# Altium PCB Motherboard.PcbDoc (part 2 of 3) (continued)
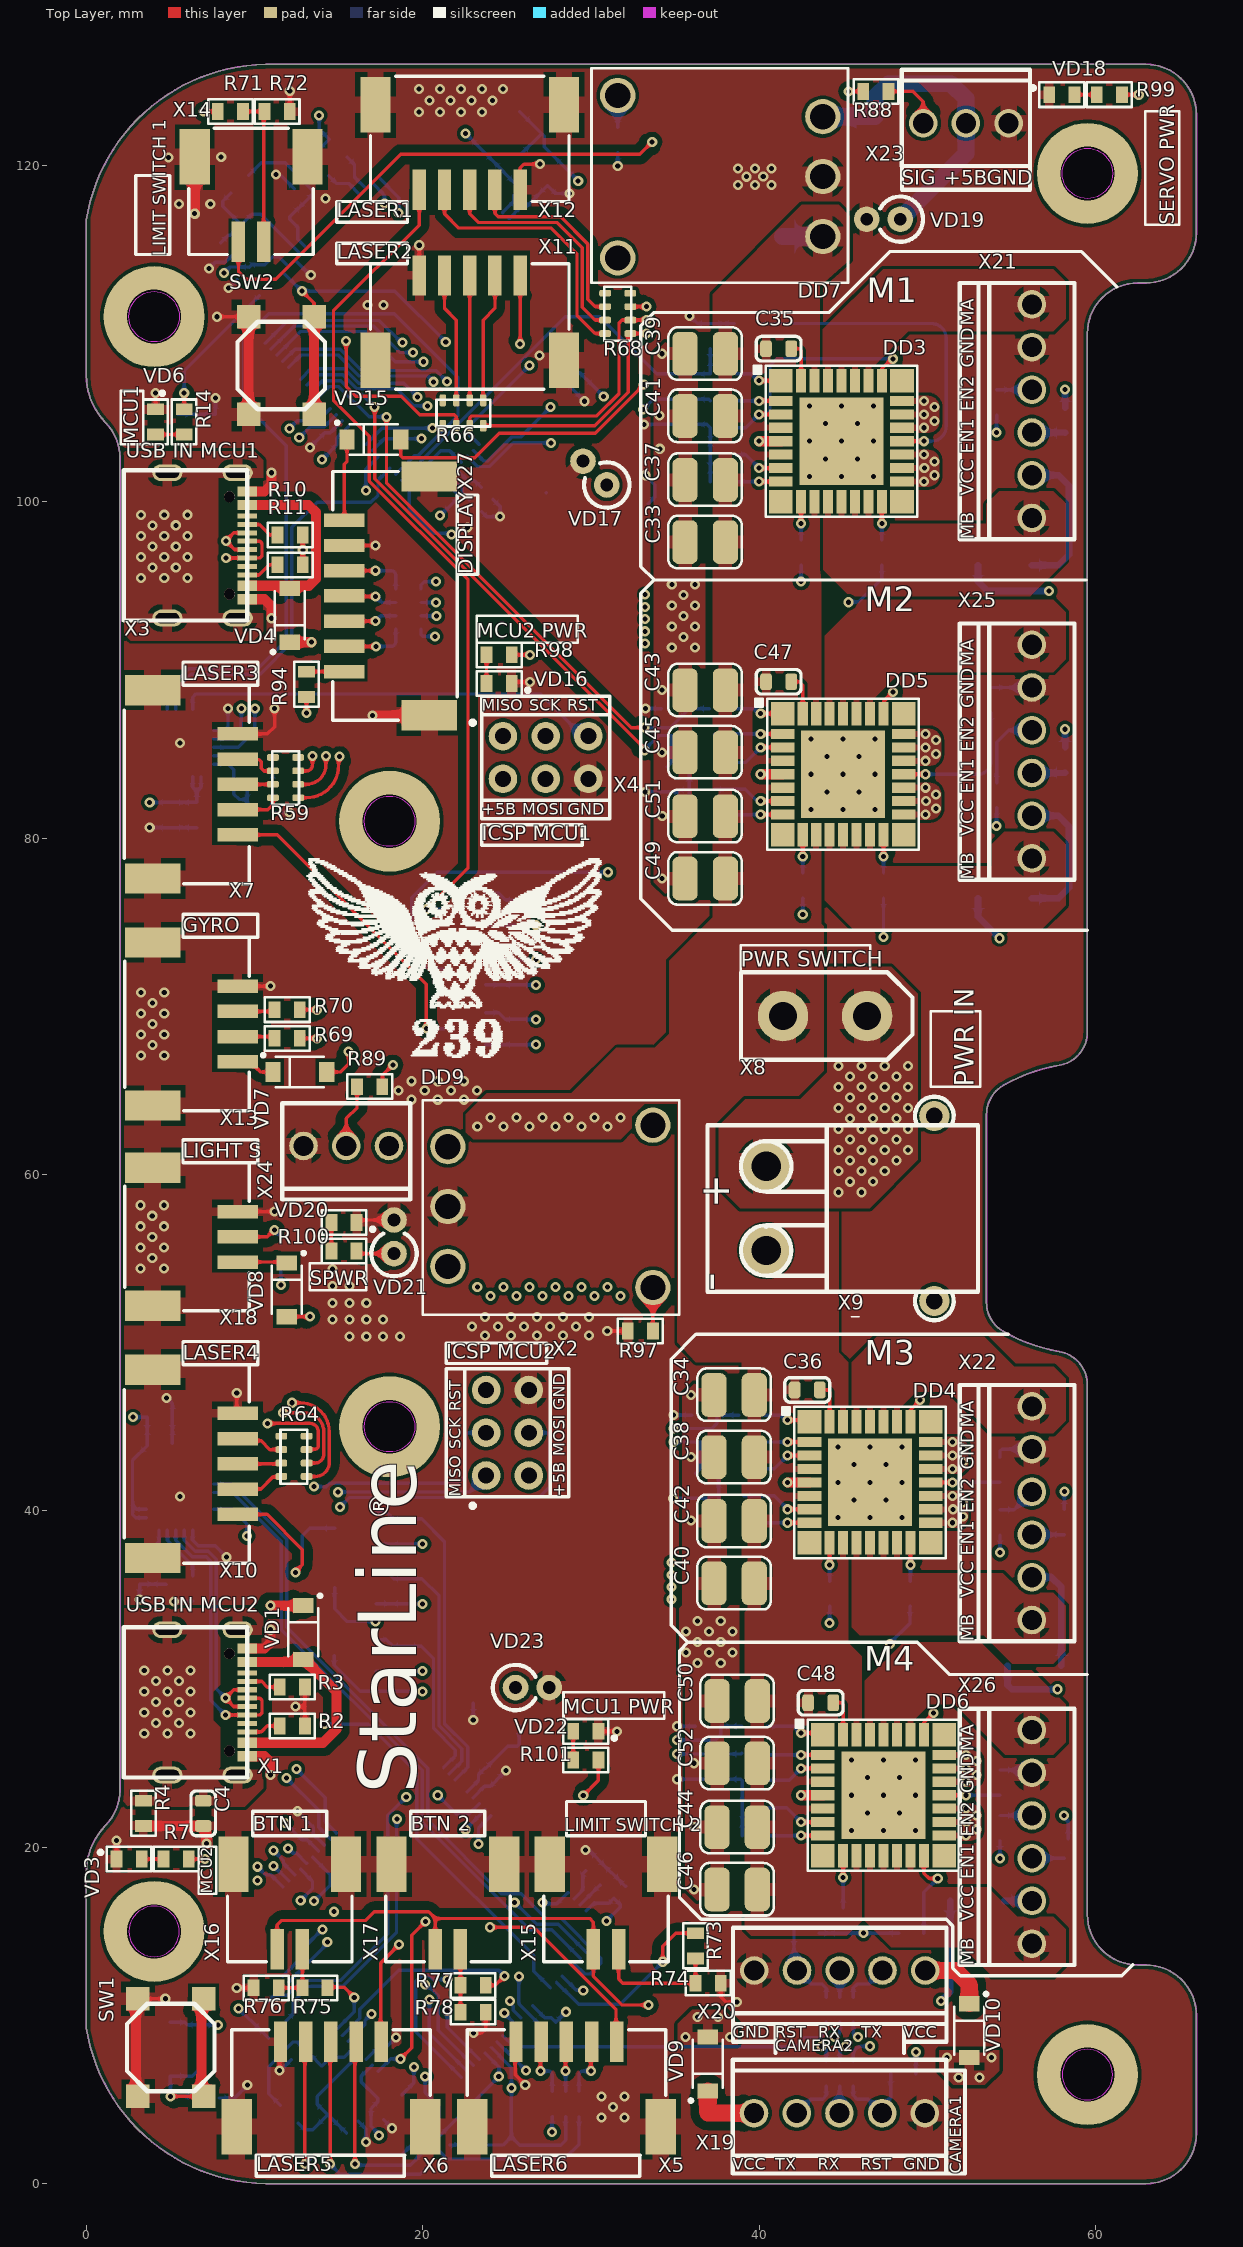
[diagram p0: Top Layer view]
## Nets (pads, with @x,y where several pads share a name; then routed paths per layer and width w, separated by ;. In a path a pad name is that pad's centre, name@x,y a point inside that pad or via, vN(x,y) a via of type N, cw(c..) or ccw(c..) an arc to the next point about the centre after c; other vN are vias at no path point) (continued)
  Bottom Layer w0.2: DD2.46@17.348,119.315 18.575,118.088 v1(18.575,117.175)
  Bottom Layer w0.381: R84.2@58.2,105.6 v1(58.2,106.675)
MCU2_MOTOR2_A1_ENC2: DD2.95 R91.1 | length 53.7
  Signal w0.2: v1(27.6,105.625) 28.375,105.625 32.225,101.775 32.225,96.95 33.575,95.6 41.1,95.6 43.425,93.275 53.15,93.275 54.125,92.3 v1(54.125,80.725)
  Bottom Layer w0.2: DD2.95@23.005,103.051 23.631,102.425 23.865,102.425 25.29,103.85 25.825,103.85 v1(27.6,105.625) ; v1(54.125,80.725) R91.1@54.125,81.8
MCU2_MOTOR2_D6_IN2: DD2.15 R37.1 R43.1 | length 34.7
  Top Layer w0.2: v1(17.85,105.05) 17.85,101.125 32.4,86.575 v1(33.2,86.575)
  Bottom Layer w0.2: DD2.15@13.813,106.233 14.43,106.85 15.025,106.85 16.825,105.05 v1(17.85,105.05) ; v1(33.2,86.575) 34.725,86.575 35.7,87.55 R37.1@35.7,87.7 R43.1@37.05,87.7
MCU2_MOTOR2_D7_IN1: DD2.16 R39.1 R44.1 | length 36.8
  Top Layer w0.2: v1(17.15,105.625) 17.15,101.365 33.2,85.315 v1(33.2,85.225)
  Bottom Layer w0.2: DD2.16@13.459,106.587 14.073,107.2 15.135,107.2 15.935,106.4 16.375,106.4 v1(17.15,105.625) ; v1@33.15,85.225 34.025,86.1 35.025,86.1 ; R39.1@34.55,84.25 34.8,84.5 34.8,85.875 35.025,86.1 ; R44.1@35.85,86.1 35.025,86.1
MCU2_MOTOR2_D19_ENC1: DD2.45 R90.1 | length 71.9
  Signal w0.2: v1(17.725,117.725) 37.2,117.725 40.875,114.05 56.985,114.05 58.725,112.31 58.725,87 v1(58.2,86.475)
  Bottom Layer w0.2: DD2.45@16.999,118.961 17.725,118.235 v1(17.725,117.725)
  Bottom Layer w0.381: R90.1@58.2,85.4 v1(58.2,86.475)
MCU2_MOTOR3_A2_ENC2: DD2.96 R87.2 | length 99.3
  Signal w0.2: v1(27.625,103.5) 27.625,102.635 31.55,98.71 31.55,75.5 38.3,68.75 38.3,50.925 40.675,48.55 56.935,48.55 58.675,46.81 58.675,38.225 57.775,37.325 55.2,37.325 55,37.525 v1(54.325,37.525)
  Bottom Layer w0.2: DD2.96@22.652,102.697 23.249,102.1 24,102.1 25.4,103.5 v1(27.625,103.5) ; v1(54.325,37.525) R87.2@54.325,38.575
MCU2_MOTOR3_D8_IN2: DD2.17 R28.2 R36.1 | length 82.4
  Signal w0.2: v1(20.3,105.7) 19.4,104.8 19.4,98.904 22.55,95.754 22.55,82.646 36.917,68.279 36.917,50.413 34.4,47.896 34.4,45.425 v1(34.925,44.9)
  Bottom Layer w0.2: DD2.17@13.106,106.94 13.716,107.55 15.244,107.55 16.069,106.725 18.45,106.725 19.475,105.7 v1(20.3,105.7) ; v1(34.925,44.9) 37.2,44.9 37.5,45.2 R36.1@37.5,45.7 R28.2@38.8,45.7
MCU2_MOTOR3_D9_IN1: DD2.18 R29.2 R34.1 | length 83.6
  Signal w0.2: v1(19.698,106.227) 19.075,105.604 19.075,98.769 22.225,95.619 22.225,82.512 36.592,68.145 36.592,50.548 34.075,48.031 34.075,44.95 v1(34.925,44.1)
  Bottom Layer w0.2: DD2.18@12.752,107.294 13.358,107.9 15.354,107.9 16.204,107.05 18.875,107.05 v1(19.698,106.227) ; v1(34.925,44.1) 36.495,44.1 ; R34.1@36.245,42.25 36.495,42.5 36.495,44.1 ; R29.2@37.6,44.1 36.495,44.1
MCU2_MOTOR3_D20_ENC1: DD2.7 R86.2 | length 93.7
  Signal w0.2: v1(20.575,104.375) 23.525,101.425 23.525,83.065 37.975,68.615 37.975,50.79 40.54,48.225 56.801,48.225 58.15,46.876 v1(58.15,41.15)
  Bottom Layer w0.2: DD2.7@16.641,103.405 16.641,103.432 17.585,104.375 v1(20.575,104.375) ; R86.2@58.15,40.1 v1(58.15,41.15)
MCU2_MOTOR4_A3_ENC2: DD2.97 R93.1 | length 117.1
  Signal w0.2: v1(21.725,98.05) 21.773,98.002 21.773,97.45 23.2,96.023 23.2,82.916 37.567,68.548 37.567,50.733 40.4,47.9 49.477,47.9 53.375,44.002 53.375,32.65 54.875,31.15 57.733,31.15 58.796,30.086 58.796,19.146 57.725,18.075 54.8,18.075 54.325,18.55 v1(54.325,19.35)
  Bottom Layer w0.2: v1(21.725,98.05) 21.648,98.127 20.673,98.127 19.2,99.6 19.2,101.15 21.075,103.025 21.617,103.025 DD2.97@22.298,102.344 ; v1(54.325,19.35) R93.1@54.325,20.396
MCU2_MOTOR4_D10_IN2: DD2.23 R38.1 R46.1 | length 107.7
  Signal w0.2: v1(19.425,108.875) 18.75,108.2 18.75,98.635 21.9,95.485 21.9,82.377 36.267,68.01 36.267,50.683 31.4,45.815 31.4,30.1 v1(35.125,26.375)
  Bottom Layer w0.2: DD2.23@10.984,109.061 12.373,110.45 17.075,110.45 18.65,108.875 v1(19.425,108.875) ; v1(35.125,26.375) 37.4,26.375 37.725,26.7 R38.1@37.725,27.2 R46.1@38.975,27.2
MCU2_MOTOR4_D11_IN1: DD2.24 R40.1 R47.1 | length 108.2
  Signal w0.2: v1(18.792,109.475) 18.425,109.108 18.425,98.5 21.575,95.35 21.575,82.242 35.942,67.875 35.942,50.817 31.075,45.95 31.075,29.6 v1(35.125,25.55)
  Bottom Layer w0.2: DD2.24@10.631,109.415 11.991,110.775 17.415,110.775 18.715,109.475 v1(18.792,109.475) ; v1(35.125,25.55) R40.1@37.525,25.55 38.925,25.55 R47.1@38.975,25.6
MCU2_MOTOR4_D21_ENC1: DD2.6 R92.1 | length 109.7
  Signal w0.2: v1(19.925,103.75) 19.925,98.838 22.875,95.888 22.875,82.781 37.242,68.414 37.242,50.598 40.265,47.575 49.342,47.575 53.05,43.867 53.05,32.515 54.74,30.825 57.598,30.825 58.471,29.952 58.471,23.946 58.125,23.6 v1(58.125,21.9)
  Bottom Layer w0.2: DD2.6@16.995,103.051 17.022,103.051 17.721,103.75 v1(19.925,103.75) ; v1(58.125,21.9) 58.125,21.792 58.375,21.542 R92.1@58.375,20.5
MCU2_UART_Rx_UART: DD1.64 DD2.12 | length 94.1
  Signal w0.2: v1(12.502,24.652) 13.3,25.45 13.3,37.103 6.1,44.303 6.1,81.215 14.25,89.365 14.25,101.46 12.666,103.044 v1(12.666,103.811)
  Bottom Layer w0.2: v1(12.502,24.652) 14.2,22.954 14.2,21.534 14.873,20.861 DD1.64@14.873,20.834 ; v1(12.666,103.811) 12.686,103.811 13.325,104.45 14.151,104.45 DD2.12@14.873,105.172
MCU2_UART_Tx_UART: DD1.63 DD2.13 | length 95.5
  Signal w0.2: v1(11.9,24.125) 11.9,24.792 12.975,25.867 12.975,36.968 5.775,44.168 5.775,81.35 13.925,89.5 13.925,101.325 12.075,103.175 v1(12.075,104.35)
  Bottom Layer w0.2: v1(11.9,24.125) 13.825,22.2 13.825,21.202 14.52,20.507 DD1.63@14.52,20.48 ; v1(12.075,104.35) 12.075,104.36 12.54,104.825 13.792,104.825 14.493,105.526 DD2.13@14.52,105.526
MOTOR1_A: DD3.12 DD3.13 DD3.14 DD3.15 X21.1
MOTOR1_B: DD3.27 DD3.28 DD3.29 DD3.30 X21.6
MOTOR1_EN: DD3.10 R27.1 | length 2.3
  Top Layer w0.2: v1(42.5,98.7) DD3.10@42.5,100
  Bottom Layer w0.2: R27.1@42.5,97.725 v1(42.5,98.7)
MOTOR1_INV: DD3.7 R31.1 | length 3
  Top Layer w0.2: v1(40,102) DD3.7@41.3,102
  Bottom Layer w0.2: R31.1@38.6,102.8 39.2,102.8 v1(40,102)
MOTOR2_A: DD5.12 DD5.13 DD5.14 DD5.15 X25.1
MOTOR2_B: DD5.27 DD5.28 DD5.29 DD5.30 X25.6
MOTOR2_EN: DD5.10 R45.2 | length 2.3
  Top Layer w0.2: v1(42.6,78.9) DD5.10@42.6,80.2
  Bottom Layer w0.2: R45.2@42.6,77.925 v1(42.6,78.9)
MOTOR2_INV: DD5.7 R41.1 | length 4.3
  Top Layer w0.2: v1(40.1,82.2) DD5.7@41.4,82.2
  Bottom Layer w0.2: R41.1@37.35,82.9 39.175,82.9 39.798,82.277 40.023,82.277 v1(40.1,82.2)
MOTOR3_A: DD4.12 DD4.13 DD4.14 DD4.15 X22.1
MOTOR3_B: DD4.27 DD4.28 DD4.29 DD4.30 X22.6
MOTOR3_EN: DD4.10 R30.1 | length 2.3
  Top Layer w0.2: v1(44.2,36.8) DD4.10@44.2,38.1
  Bottom Layer w0.2: R30.1@44.2,35.825 v1(44.2,36.8)
MOTOR3_INV: DD4.7 R32.1 | length 4.2
  Top Layer w0.2: v1(41.7,40.1) DD4.7@43,40.1
  Bottom Layer w0.2: R32.1@39.1,40.9 40.9,40.9 v1(41.7,40.1)
MOTOR4_A: DD6.12 DD6.13 DD6.14 DD6.15 X26.1
MOTOR4_B: DD6.27 DD6.28 DD6.29 DD6.30 X26.6
MOTOR4_EN: DD6.10 R48.2 | length 3.1
  Top Layer w0.2: v1(45,18.2) DD6.10@45,19.5
  Bottom Layer w0.2: R48.2@45,16.4 v1(45,18.2)
MOTOR4_INV: DD6.7 R42.1 | length 3.7
  Top Layer w0.2: v1(42.5,21.5) DD6.7@43.8,21.5
  Bottom Layer w0.2: R42.1@40.5,22.35 41.65,22.35 v1(42.5,21.5)
NetDA1_3: DA1.3 X1.3 X1.5 | length 14.5
  Top Layer w0.2: X1.5@9.58,28.37 8.78,28.37 v1(8.275,28.875) 8.77,29.37 X1.3@9.58,29.37
  Bottom Layer w0.2: DA1.3@5.825,38.85 5.825,38.25 6.475,37.6 7.26,37.6 7.73,37.13 7.73,29.42 v1(8.275,28.875)
NetDA1_4: DA1.4 X1.4 X1.6 | length 16.6
  Top Layer w0.2: v1(8.275,27.87) 10.25,27.87 ccw(c10.25,28.07) 10.45,28.07 10.45,28.67 ccw(c10.25,28.67) 10.25,28.87 X1.4@9.58,28.87
  Bottom Layer w0.2: DA1.4@5.325,38.85 5.325,38.25 6.3,37.275 7.125,37.275 7.405,36.995 7.405,28.74 v1(8.275,27.87)
NetDA1_5: DA1.5 С12.2 | length 3.3
  Bottom Layer w0.2: DA1.5@4.825,38.85 4.825,38.25 6.325,36.75 С12.2@6.325,36.15
NetDA1_6: DA1.6 С14.2 С16.2 | length 3.4
  Bottom Layer w0.2: С14.2@3.175,37.15 3.95,37.15 ; DA1.6@4.325,38.85 4.325,38.175 3.95,37.8 3.95,37.15 ; С16.2@4.725,37.15 3.95,37.15
NetDA2_3: DA2.3 X3.3 X3.5 | length 17.6
  Top Layer w0.2: X3.5@9.58,97.155 8.82,97.155 v1(8.3,97.675) 8.78,98.155 X3.3@9.58,98.155
  Signal w0.2: v1(8.3,97.675) 7.025,96.4 7.025,91.325 9.225,89.125 v1(9.225,87.7)
  Bottom Layer w0.2: DA2.3@7.575,85.9 8.75,85.9 9.225,86.375 v1(9.225,87.7)
NetDA2_4: DA2.4 X3.4 X3.6 | length 18.5
  Top Layer w0.2: v1(8.3,96.655) X3.6@9.58,96.655 10.25,96.655 ccw(c10.25,96.855) 10.45,96.855 10.45,97.456 ccw(c10.25,97.455) 10.25,97.655 X3.4@9.58,97.655
  Signal w0.2: v1(8.3,96.655) 7.35,95.705 7.35,91.46 10.025,88.785 v1(10.025,87.7)
  Bottom Layer w0.2: DA2.4@7.575,85.4 9.05,85.4 10.025,86.375 v1(10.025,87.7)
NetDA2_5: DA2.5 С27.2 | length 2.1
  Bottom Layer w0.2: DA2.5@7.575,84.9 8.465,84.9 8.74,84.625 С27.2@9.575,84.625
NetDA2_6: DA2.6 С30.2 С32.2 | length 5.3
  Bottom Layer w0.2: DA2.6@7.575,84.4 8.45,84.4 8.775,84.075 8.775,82.625 9.1,82.3 9.575,82.3 ; С32.2@9.575,81.525 9.575,82.3 ; С30.2@9.575,83.075 9.575,82.3
NetDD1_26: DD1.26 R7.2 | length 21.1
  Top Layer w0.2: R7.2@6.1,19.3 v1(7.05,19.3)
  Signal w0.2: v1(7.05,19.3) 7.05,18.765 17.64,8.175 18.85,8.175 19.464,7.561 19.464,6.959 v1(19.475,6.948)
  Bottom Layer w0.2: DD1.26@18.763,5.277 19.475,5.99 v1(19.475,6.948)
NetDD1_33: DD1.33 R1.2 XT1.1 С6.1 | length 8.8
  Bottom Layer w0.2: R1.2@12.6,3.604 13,3.204 13.457,3.204 XT1.1@14.354,4.101 ; С6.1@15.475,3 14.374,4.101 XT1.1@14.354,4.101 ; DD1.33@16.288,7.752 13.725,5.189 13.725,4.729 XT1.1@14.354,4.101
NetDD1_34: DD1.34 R1.1 XT1.3 С7.1 | length 9.3
  Bottom Layer w0.2: R1.1@11.539,4.665 10.85,5.354 10.85,6.963 12.317,8.43 12.57,8.43 12.914,8.086 13.313,7.688 XT1.3@14,7 14.525,7.525 15.326,7.525 15.907,8.106 DD1.34@15.934,8.106
NetDD1_99: DD1.99 С10.2 | length 1.7
  Bottom Layer w0.2: DD1.99@29.369,16.591 29.38,16.591 30.539,17.75 С10.2@30.55,17.75
NetDD2_20: DD2.20 X4.3 | length 34.2
  Signal w0.2: v1(20.65,107.133) 20.65,106.575 28.25,98.975 28.25,87 X4.3@27.315,86.065
  Bottom Layer w0.2: DD2.20@12.045,108.001 12.769,108.725 14.988,108.725 16.238,107.475 20.308,107.475 v1(20.65,107.133)
NetDD2_21: DD2.21 X4.4 | length 38
  Signal w0.2: v1(21.45,107.15) 21.45,106.235 28.575,99.11 28.575,84.785 X4.4@27.315,83.525
  Bottom Layer w0.2: DD2.21@11.691,108.354 12.412,109.075 15.098,109.075 16.373,107.8 20.8,107.8 v1(21.45,107.15)
NetDD2_22: DD2.22 X4.1 | length 36.9
  Signal w0.2: v1(20.05,108.325) 20.05,106.7 27.925,98.825 27.925,89.215 X4.1@24.775,86.065
  Bottom Layer w0.2: DD2.22@11.338,108.708 12.755,110.125 16.583,110.125 18.383,108.325 v1(20.05,108.325)
NetDD2_26: DD2.26 R14.2 | length 8.6
  Top Layer w0.2: R14.2@5.825,105.5 v1(5.825,106.475)
  Bottom Layer w0.2: v1(5.825,106.475) 5.825,107.791 DD2.26@10.277,112.243
NetDD2_33: DD2.33 R9.2 XT2.3 С22.2 | length 9
  Bottom Layer w0.2: С22.2@8,115.4 8.45,115.85 8.604,115.85 XT2.3@9.201,116.446 ; R9.2@8.595,118.345 8.125,117.875 8.125,117.575 9.201,116.499 XT2.3@9.201,116.446 ; DD2.33@12.752,114.718 10.37,117.1 9.854,117.1 XT2.3@9.201,116.446
NetDD2_34: DD2.34 R9.1 XT2.1 С23.2 | length 9.2
  Bottom Layer w0.2: R9.1@9.655,119.405 10.4,120.15 11.825,120.15 13.45,118.525 13.45,118.275 С23.2@13.075,117.9 12.664,117.489 12.648,117.489 12.1,116.941 XT2.1@12.1,116.8 12.575,116.325 12.575,115.6 13.103,115.072 DD2.34@13.106,115.072
NetDD2_99: DD2.99 С26.2 | length 2
  Bottom Layer w0.2: DD2.99@21.591,101.637 22.352,100.875 22.352,100.548 С26.2@22.775,100.125
NetDD3_1: DD3.1 R25.1 | length 2.9
  Top Layer w0.2: v1(40,107.2) DD3.1@41.3,107.2
  Bottom Layer w0.2: R25.1@38.6,107.6 39.551,107.6 39.951,107.2 v1(40,107.2)
NetDD3_2: DD3.2 R26.1 | length 2.7
  Top Layer w0.2: v1(40,106) DD3.2@41.3,106
  Bottom Layer w0.2: R26.1@38.6,106 v1(40,106)
NetDD3_3: DD3.3 DD3.26 R21.2 | length 15.6
  Top Layer w0.2: v1(40,105.2) DD3.3@41.3,105.2 ; DD3.26@47.3,107.2 47.3,107.9 47.9,108.5 v1(47.975,108.5)
  Bottom Layer w0.2: R21.2@38.6,104.4 39.2,104.4 40.008,105.208 40.441,105.208 40.65,105.417 40.65,108.1 41.05,108.5 v1(47.975,108.5)
NetDD3_8: DD3.8 R23.2 | length 2.7
  Top Layer w0.2: v1(40,101.2) DD3.8@41.3,101.2
  Bottom Layer w0.2: R23.2@38.6,101.2 v1(40,101.2)
NetDD3_16: DD3.16 R22.2 | length 2.3
  Top Layer w0.2: v1(47.3,98.7) DD3.16@47.3,100
  Bottom Layer w0.2: R22.2@47.3,97.725 v1(47.3,98.7)
NetDD3_21: DD3.21 R17.2 | length 20
  Top Layer w0.2: DD3.21@48.5,103.6 v1(49.8,103.6)
  Bottom Layer w0.2: R17.2@40.025,110.6 50.25,110.6 cw(c50.25,109.725) 51.125,109.725 51.125,104.473 cw(c50.252,104.473) 50.252,103.6 v1(49.8,103.6)
NetDD3_32: DD3.32 С35.1 | length 2.4
  Top Layer w0.2: С35.1@41.915,109.1 42.375,109.1 42.5,108.975 DD3.32@42.5,107.2
NetDD4_1: DD4.1 R28.1 | length 2.9
  Top Layer w0.2: v1(41.7,45.4) 42.9,45.4 DD4.1@43,45.3
  Bottom Layer w0.2: R28.1@40.3,45.7 41.292,45.7 41.592,45.4 v1(41.7,45.4)
NetDD4_2: DD4.2 R29.1 | length 3.9
  Top Layer w0.2: v1(41.7,44.1) DD4.2@43,44.1
  Bottom Layer w0.2: R29.1@39.1,44.1 v1(41.7,44.1)
NetDD4_3: DD4.3 DD4.26 R19.2 | length 15
  Top Layer w0.2: v1(41.7,43.3) DD4.3@43,43.3 ; DD4.26@49,45.3 49,46 49.575,46.575 v1(49.575,46.6)
  Signal w0.2: v1(41.7,43.3) 42.725,43.3 46.025,46.6 v1(49.575,46.6)
  Bottom Layer w0.2: R19.2@39.1,42.5 40.9,42.5 v1(41.7,43.3)
NetDD4_8: DD4.8 R24.1 | length 3.9
  Top Layer w0.2: v1(41.7,39.3) DD4.8@43,39.3
  Bottom Layer w0.2: R24.1@39.1,39.3 v1(41.7,39.3)
NetDD4_16: DD4.16 R20.2 | length 2.3
  Top Layer w0.2: v1(49,36.8) DD4.16@49,38.1
  Bottom Layer w0.2: R20.2@49,35.825 v1(49,36.8)
NetDD4_21: DD4.21 R18.1 | length 4.1
  Top Layer w0.2: DD4.21@50.2,41.7 v1(51.5,41.7)
  Bottom Layer w0.2: v1(51.5,41.7) R18.1@54.325,41.7
NetDD4_32: DD4.32 С36.1 | length 2.4
  Top Layer w0.2: С36.1@43.615,47.2 44.075,47.2 44.2,47.075 DD4.32@44.2,45.3
NetDD5_1: DD5.1 R43.2 | length 3
  Top Layer w0.2: v1(40.1,87.4) DD5.1@41.4,87.4
  Bottom Layer w0.2: R43.2@38.55,87.7 39.692,87.7 39.992,87.4 v1(40.1,87.4)
NetDD5_2: DD5.2 R44.2 | length 4.1
  Top Layer w0.2: v1(40.1,86.2) DD5.2@41.4,86.2
  Bottom Layer w0.2: R44.2@37.35,86.1 cw(c37.45,86.1) 37.45,86.2 v1(40.1,86.2)
NetDD5_3: DD5.3 DD5.26 R49.1 | length 15.2
  Top Layer w0.2: v1(40.1,85.4) DD5.3@41.4,85.4 ; DD5.26@47.4,87.4 47.4,88.125 v1(47.975,88.7)
  Signal w0.2: v1(40.1,85.4) 41.15,85.4 44.45,88.7 v1(47.975,88.7)
  Bottom Layer w0.2: R49.1@37.35,84.5 39.2,84.5 v1(40.1,85.4)
NetDD5_8: DD5.8 R53.2 | length 4.1
  Top Layer w0.2: v1(40.1,81.4) DD5.8@41.4,81.4
  Bottom Layer w0.2: R53.2@37.35,81.3 37.45,81.4 v1(40.1,81.4)
NetDD5_16: DD5.16 R50.1 | length 2.3
  Top Layer w0.2: v1(47.4,78.9) DD5.16@47.4,80.2
  Bottom Layer w0.2: R50.1@47.4,77.925 v1(47.4,78.9)
NetDD5_21: DD5.21 R55.2 | length 8.5
  Top Layer w0.2: DD5.21@48.6,83.8 v1(49.9,83.8)
  Bottom Layer w0.2: v1(49.9,83.8) 53.029,83.8 ccw(c53.029,84.546) 53.775,84.546 R55.2@53.775,87.456
NetDD5_32: DD5.32 С47.2 | length 2.5
  Top Layer w0.2: С47.2@41.915,89.3 42.4,89.3 42.6,89.1 DD5.32@42.6,87.4
NetDD6_1: DD6.1 R46.2 | length 3.5
  Top Layer w0.2: v1(42.5,26.8) 43.7,26.8 DD6.1@43.8,26.7
  Bottom Layer w0.2: R46.2@40.475,27.2 42.051,27.2 42.451,26.8 v1(42.5,26.8)
NetDD6_2: DD6.2 R47.2 | length 3.4
  Top Layer w0.2: v1(42.5,25.5) DD6.2@43.8,25.5
  Bottom Layer w0.2: R47.2@40.475,25.6 40.575,25.5 v1(42.5,25.5)
NetDD6_3: DD6.3 DD6.26 R51.1 | length 14.4
  Top Layer w0.2: v1(42.5,24.7) DD6.3@43.8,24.7 ; DD6.26@49.8,26.7 49.8,27.4 50.375,27.975 v1(50.375,28)
  Signal w0.2: v1(42.5,24.7) 43.425,24.7 46.725,28 v1(50.375,28)
  Bottom Layer w0.2: R51.1@40.475,24 41.8,24 v1(42.5,24.7)
NetDD6_8: DD6.8 R54.2 | length 3.3
  Top Layer w0.2: v1(42.5,20.7) DD6.8@43.8,20.7
  Bottom Layer w0.2: R54.2@40.5,20.7 v1(42.5,20.7)
NetDD6_16: DD6.16 R52.1 | length 5.6
  Top Layer w0.2: DD6.16@49.8,19.5 49.8,18.475 50.125,18.15 v1(50.625,18.15)
  Bottom Layer w0.2: R52.1@49.8,14.9 49.8,17.325 v1(50.625,18.15)
NetDD6_21: DD6.21 R56.2 | length 3.3
  Top Layer w0.2: DD6.21@51,23.1 v1(52.3,23.1)
  Bottom Layer w0.2: v1(52.3,23.1) R56.2@54.325,23.1
NetDD6_32: DD6.32 С48.2 | length 2.4
  Top Layer w0.2: С48.2@44.415,28.6 44.875,28.6 45,28.475 DD6.32@45,26.7
NetDD7_4: DD7.4 R96.2 | length 1.9
  Bottom Layer w0.2: R96.2@31.6,122.25 DD7.4@31.6,124.15
NetDD9_4: DD9.4 R97.2 | length 2.6
  Top Layer w0.2: R97.2@33.69,50.7 DD9.4@33.69,53.285
NetR2_1: R2.1 X1.8 | length 2.1
  Top Layer w0.2: X1.8@9.58,26.87 10.42,26.87 10.775,27.225 R2.1@11.5,27.225
NetR3_1: R3.1 X1.2 | length 2.1
  Top Layer w0.2: X1.2@9.58,29.87 10.43,29.87 10.775,29.525 R3.1@11.5,29.525
NetR4_1: R4.1 X1.TP С4.1
  other v1: 3.45,26.774 4.825,26.775 6.2,26.775 4.137,27.399 5.512,27.4 3.45,28.024 4.825,28.025 6.2,28.025 4.137,28.649 5.512,28.65 3.45,29.274 4.825,29.275 6.2,29.275 4.137,29.899 5.512,29.9 3.45,30.524 4.825,30.525 6.2,30.525
NetR7_1: R7.1 VD3.1 | length 1.3
  Top Layer w0.2: VD3.1@3.3,19.3 R7.1@4.6,19.3
NetR10_1: R10.1 X3.2 | length 2.1
  Top Layer w0.2: X3.2@9.58,98.655 9.585,98.65 10.275,98.65 10.9,98.025 R10.1@11.375,98.025
NetR11_1: R11.1 X3.8 | length 2
  Top Layer w0.2: X3.8@9.58,95.655 9.585,95.65 10.275,95.65 10.875,96.25 R11.1@11.375,96.25
NetR12_1: R12.1 X3.TP С19.1
  other v1: 3.263,95.475 4.637,95.476 6.012,95.476 3.95,96.1 5.325,96.101 3.263,96.725 4.637,96.726 6.012,96.726 3.95,97.35 5.325,97.351 3.263,97.975 4.637,97.976 6.012,97.976 3.95,98.6 5.325,98.601 3.263,99.225 4.637,99.226 6.012,99.226
NetR14_1: R14.1 VD6.1 | length 1.7
  Top Layer w0.2: VD6.1@4.125,104 R14.1@5.825,104
NetR57_2: R57.2 X5.2 | length 3.6
  Top Layer w0.2: v1(30,6.7) X5.2@30,8.45
  Bottom Layer w0.2: R57.2@29.3,5.5 29.3,6.475 cw(c29.525,6.475) 29.525,6.7 v1(30,6.7)
NetR57_4: R57.4 X5.3 | length 3
  Top Layer w0.2: v1(28.5,6.7) X5.3@28.5,8.45
  Bottom Layer w0.2: R57.4@28.5,5.5 v1(28.5,6.7)
NetR57_6: R57.6 X5.4 | length 3.6
  Top Layer w0.2: v1(27,6.7) X5.4@27,8.45
  Bottom Layer w0.2: v1(27,6.7) 27.475,6.7 cw(c27.475,6.475) 27.7,6.475 R57.6@27.7,5.5
NetR58_1: R58.1 X6.3 | length 13.8
  Top Layer w0.2: v1(14.5,1.175) X6.3@14.5,8.45
  Bottom Layer w0.2: v1(14.5,1.175) 15.1,0.575 19.869,0.575 R58.1@20.536,1.242
NetR58_3: R58.3 X6.2 | length 11.6
  Top Layer w0.2: v1@15.975,1.1 15.975,8.425 X6.2@16,8.45
  Bottom Layer w0.2: v1@15.975,1.1 19.263,1.1 R58.3@19.971,1.808
  other v1: 15.975,1.175
NetR58_5: R58.5 X6.4 | length 14.2
  Top Layer w0.2: v1(13,1.175) X6.4@13,8.45
  Bottom Layer w0.2: v1(13,1.175) 13.525,1.7 18.731,1.7 R58.5@19.405,2.374
NetR59_2: R59.2 X7.2 | length 2.7
  Top Layer w0.2: X7.2@8.95,81.7 10.8,81.7 11.1,82 R59.2@11.1,82.4
NetR59_4: R59.4 X7.3 | length 2.2
  Top Layer w0.2: X7.3@8.95,83.2 R59.4@11.1,83.2
NetR59_6: R59.6 X7.4 | length 2.7
  Top Layer w0.2: X7.4@8.95,84.7 8.975,84.675 10.275,84.675 10.4,84.55 10.4,84.15 10.55,84 R59.6@11.1,84
NetR64_2: R64.2 X10.2 | length 3
  Top Layer w0.2: X10.2@8.95,41.3 10.375,41.3 11.105,42.03 11.58,42.03 R64.2@11.6,42.05
NetR64_4: R64.4 X10.3 | length 2.7
  Top Layer w0.2: X10.3@8.95,42.8 R64.4@11.6,42.8
NetR64_6: R64.6 X10.4 | length 2.9
  Top Layer w0.2: X10.4@8.95,44.3 9.075,44.175 10.4,44.175 10.925,43.65 R64.6@11.6,43.65
NetR66_1: R66.1 X11.2 | length 7.7
  Top Layer w0.2: R66.1@23.6,106.025 23.6,110.8 24.3,111.5 X11.2@24.3,113.45
NetR66_3: R66.3 X11.3 | length 7.4
  Top Layer w0.2: R66.3@22.8,106.025 X11.3@22.8,113.45
NetR66_5: R66.5 X11.4 | length 7.7
  Top Layer w0.2: X11.4@21.3,113.45 21.3,111.5 22,110.8 R66.5@22,106.025
NetR68_2: R68.2 X12.2 | length 16.1
  Top Layer w0.2: X12.2@21.3,118.55 21.3,117.125 22.15,116.275 27.65,116.275 29.175,114.75 29.175,111.1 30.275,110 R68.2@30.85,110
NetR68_4: R68.4 X12.3 | length 14.2
  Top Layer w0.2: X12.3@22.8,118.55 22.8,117.125 23.325,116.6 28,116.6 29.5,115.1 29.5,111.575 30.275,110.8 R68.4@30.85,110.8
NetR68_6: R68.6 X12.4 | length 12.2
  Top Layer w0.2: X12.4@24.3,118.55 24.3,117.15 24.5,116.95 28.2,116.95 29.825,115.325 29.825,112.05 30.275,111.6 R68.6@30.85,111.6
NetR69_2: R69.2 X13.2 | length 2.3
  Top Layer w0.2: X13.2@8.95,68.2 11.1,68.2 R69.2@11.2,68.1
NetR70_2: R70.2 X13.3 | length 2.3
  Top Layer w0.2: X13.3@8.95,69.7 11.1,69.7 R70.2@11.2,69.8
NetR71_2: R71.2 R72.2 X14.2 | length 9
  Top Layer w0.2: R71.2@9.325,123.2 R72.2@10.6,123.2 10.55,123.15 X14.2@10.55,115.45
NetR73_2: R73.2 R74.2 X15.2 | length 7.9
  Top Layer w0.2: X15.2@31.65,13.95 31.65,12.175 31.9,11.925 R74.2@36.225,11.925 R73.2@36.225,13.4
NetR75_2: R75.2 R76.2 X16.2 | length 3.8
  Top Layer w0.2: R76.2@11.45,11.65 R75.2@12.85,11.65 X16.2@12.85,14.075
NetR77_2: R77.2 R78.2 X17.2 | length 3.8
  Top Layer w0.2: R78.2@22.25,10.2 X17.2@22.25,13.95
NetR79_2: R79.2 X18.2 | length 3.4
  Top Layer w0.2: X18.2@8.95,56.3 10.751,56.3 11.151,56.7 v1(11.2,56.7)
  Bottom Layer w0.2: v1(11.2,56.7) 11.575,56.325 R79.2@11.575,55.875
NetR80_2: R80.2 R81.6 X19.4 | length 5.3
  Bottom Layer w0.2: R81.6@45.6,5.8 45.6,5.25 45.825,5.025 46.495,5.025 X19.4@47.32,4.2 47.32,4.606 47.825,5.111 R80.2@47.825,6.55
NetR81_2: R81.2 X19.2 | length 2.7
  Bottom Layer w0.2: X19.2@42.25,4.21 43.065,5.025 43.775,5.025 44,5.25 R81.2@44,5.8
NetR81_4: R81.4 X19.3 | length 1.6
  Bottom Layer w0.2: X19.3@44.78,4.2 44.79,4.21 44.79,5.79 R81.4@44.8,5.8
NetR82_2: R82.2 R83.6 X20.4 | length 5.1
  Bottom Layer w0.2: R82.2@42.075,15.05 42.075,12.865 X20.4@42.26,12.68 42.32,12.68 43.125,11.875 43.75,11.875 44,11.625 R83.6@44,11.1
NetR83_2: R83.2 X20.2 | length 2.7
  Bottom Layer w0.2: R83.2@45.6,11.1 45.6,11.65 45.825,11.875 46.5,11.875 47.305,12.68 X20.2@47.34,12.68
NetR83_4: R83.4 X20.3 | length 1.6
  Bottom Layer w0.2: R83.4@44.8,11.1 X20.3@44.8,12.68
NetR84_1: R84.1 X21.3 | length 2
  Bottom Layer w0.381: X21.3@56.221,104.116 58.2,104.116 R84.1@58.2,104.1
NetR85_1: R85.1 X21.4 | length 2.1
  Bottom Layer w0.2: R85.1@54.125,106.656 X21.4@56.221,106.656
NetR86_1: R86.1 X22.3 | length 1.9
  Bottom Layer w0.2: X22.3@56.221,38.596 58.146,38.596 R86.1@58.15,38.6
NetR87_1: R87.1 X22.4 | length 2.3
  Bottom Layer w0.2: R87.1@54.325,40.075 55.16,40.075 X22.4@56.221,41.136
NetR88_1: R88.1 X23.1 | length 3.6
  Top Layer w0.2: R88.1@47.7,124.4 49.148,124.4 49.76,123.788 X23.1@49.76,122.5
NetR89_1: R89.1 X24.2 | length 3.8
  Top Layer w0.2: X24.2@15.46,61.7 15.46,63.335 16.1,63.975 R89.1@16.1,65.225
NetR90_2: R90.2 X25.3 | length 2
  Bottom Layer w0.381: X25.3@56.221,83.876 58.176,83.876 ccw(c58.176,83.9) R90.2@58.2,83.9
NetR91_2: R91.2 X25.4 | length 4.8
  Bottom Layer w0.2: R91.2@54.125,83.3 54.125,85.7 54.841,86.416 X25.4@56.221,86.416
NetR92_2: R92.2 X26.3 | length 1.9
  Bottom Layer w0.2: X26.3@56.221,19.356 58.15,19.356
NetR93_2: R93.2 X26.4 | length 1.9
  Bottom Layer w0.2: R93.2@54.325,21.896 X26.4@56.221,21.896
NetR94_2: R94.2 X27.7 | length 2.3
  Top Layer w0.2: R94.2@13.1,89.9 X27.7@15.35,89.9
NetR95_2: R95.2 X27.3 | length 4
  Top Layer w0.2: X27.3@15.35,95.9 v1(17.2,95.9)
  Bottom Layer w0.2: v1(17.2,95.9) 18.125,95.9 cw(c18.125,95.625) 18.4,95.625 R95.2@18.4,94.812
NetR95_4: R95.4 X27.4 | length 3.2
  Top Layer w0.2: X27.4@15.35,94.4 15.375,94.375 v1(17.2,94.375)
  Bottom Layer w0.2: v1(17.2,94.375) 17.563,94.012 R95.4@18.4,94.012
NetR95_6: R95.6 X27.5 | length 3.2
  Top Layer w0.2: X27.5@15.35,92.9 v1(17.2,92.9)
  Bottom Layer w0.2: v1(17.2,92.9) 17.205,92.9 17.517,93.212 R95.6@18.4,93.212
NetR95_8: R95.8 X27.6 | length 3.9
  Top Layer w0.2: X27.6@15.35,91.4 v1(17.225,91.4)
  Bottom Layer w0.2: v1(17.225,91.4) 18.125,91.4 ccw(c18.125,91.675) 18.4,91.675 R95.8@18.4,92.412
NetR98_1: R98.1 VD16.1 | length 1.7
  Top Layer w0.2: VD16.1@23.8,89.2 R98.1@23.8,90.9
NetR99_1: R99.1 VD18.1 | length 1.3
  Top Layer w0.2: VD18.1@58.75,124.2 R99.1@60.075,124.2
NetR100_1: R100.1 VD20.1 | length 1.7
  Top Layer w0.2: R100.1@14.575,55.45 VD20.1@14.575,57.15
NetR101_1: R101.1 VD22.1 | length 1.7
  Top Layer w0.2: R101.1@28.95,25.2 VD22.1@28.95,26.9
NetVD1_2: VD1.2 X1.9 | length 13.9
  Top Layer w0.6: X1.9@9.58,26.22 14.07,26.22 14.875,27.025 14.875,29.251 13.106,31.02 X1.9@9.58,31.02